# Altium PCB PCB4.PcbDoc
Units mil, origin at the board's own origin, x right, y up, seen from the top; angles counter-clockwise.
Board outline 2750 x 3480 mil, 2 copper layers (Top Layer, Bottom Layer); 90 components, 53 nets, 302 pads, 400 vias.
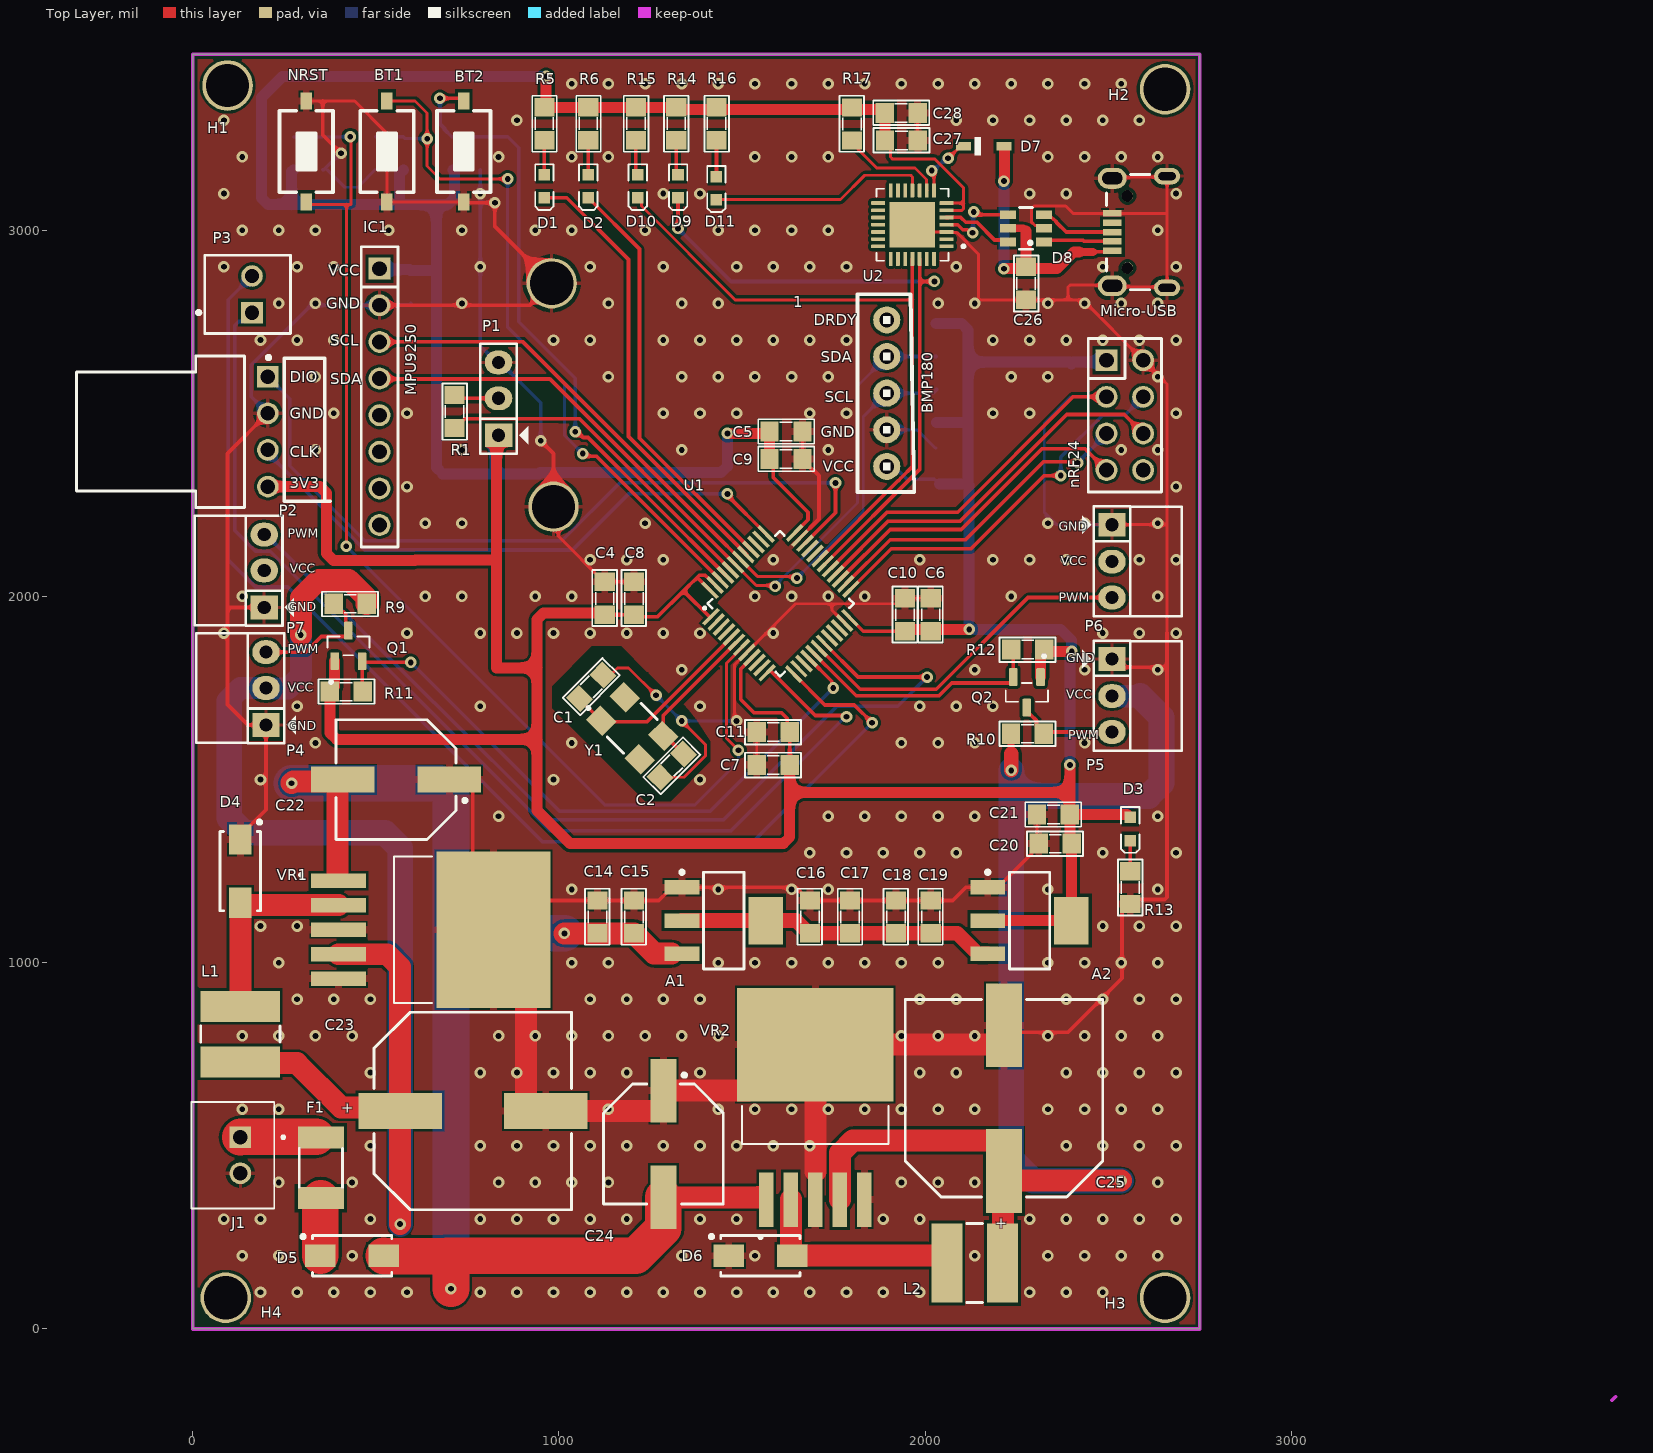
[diagram p0: Top Layer view]
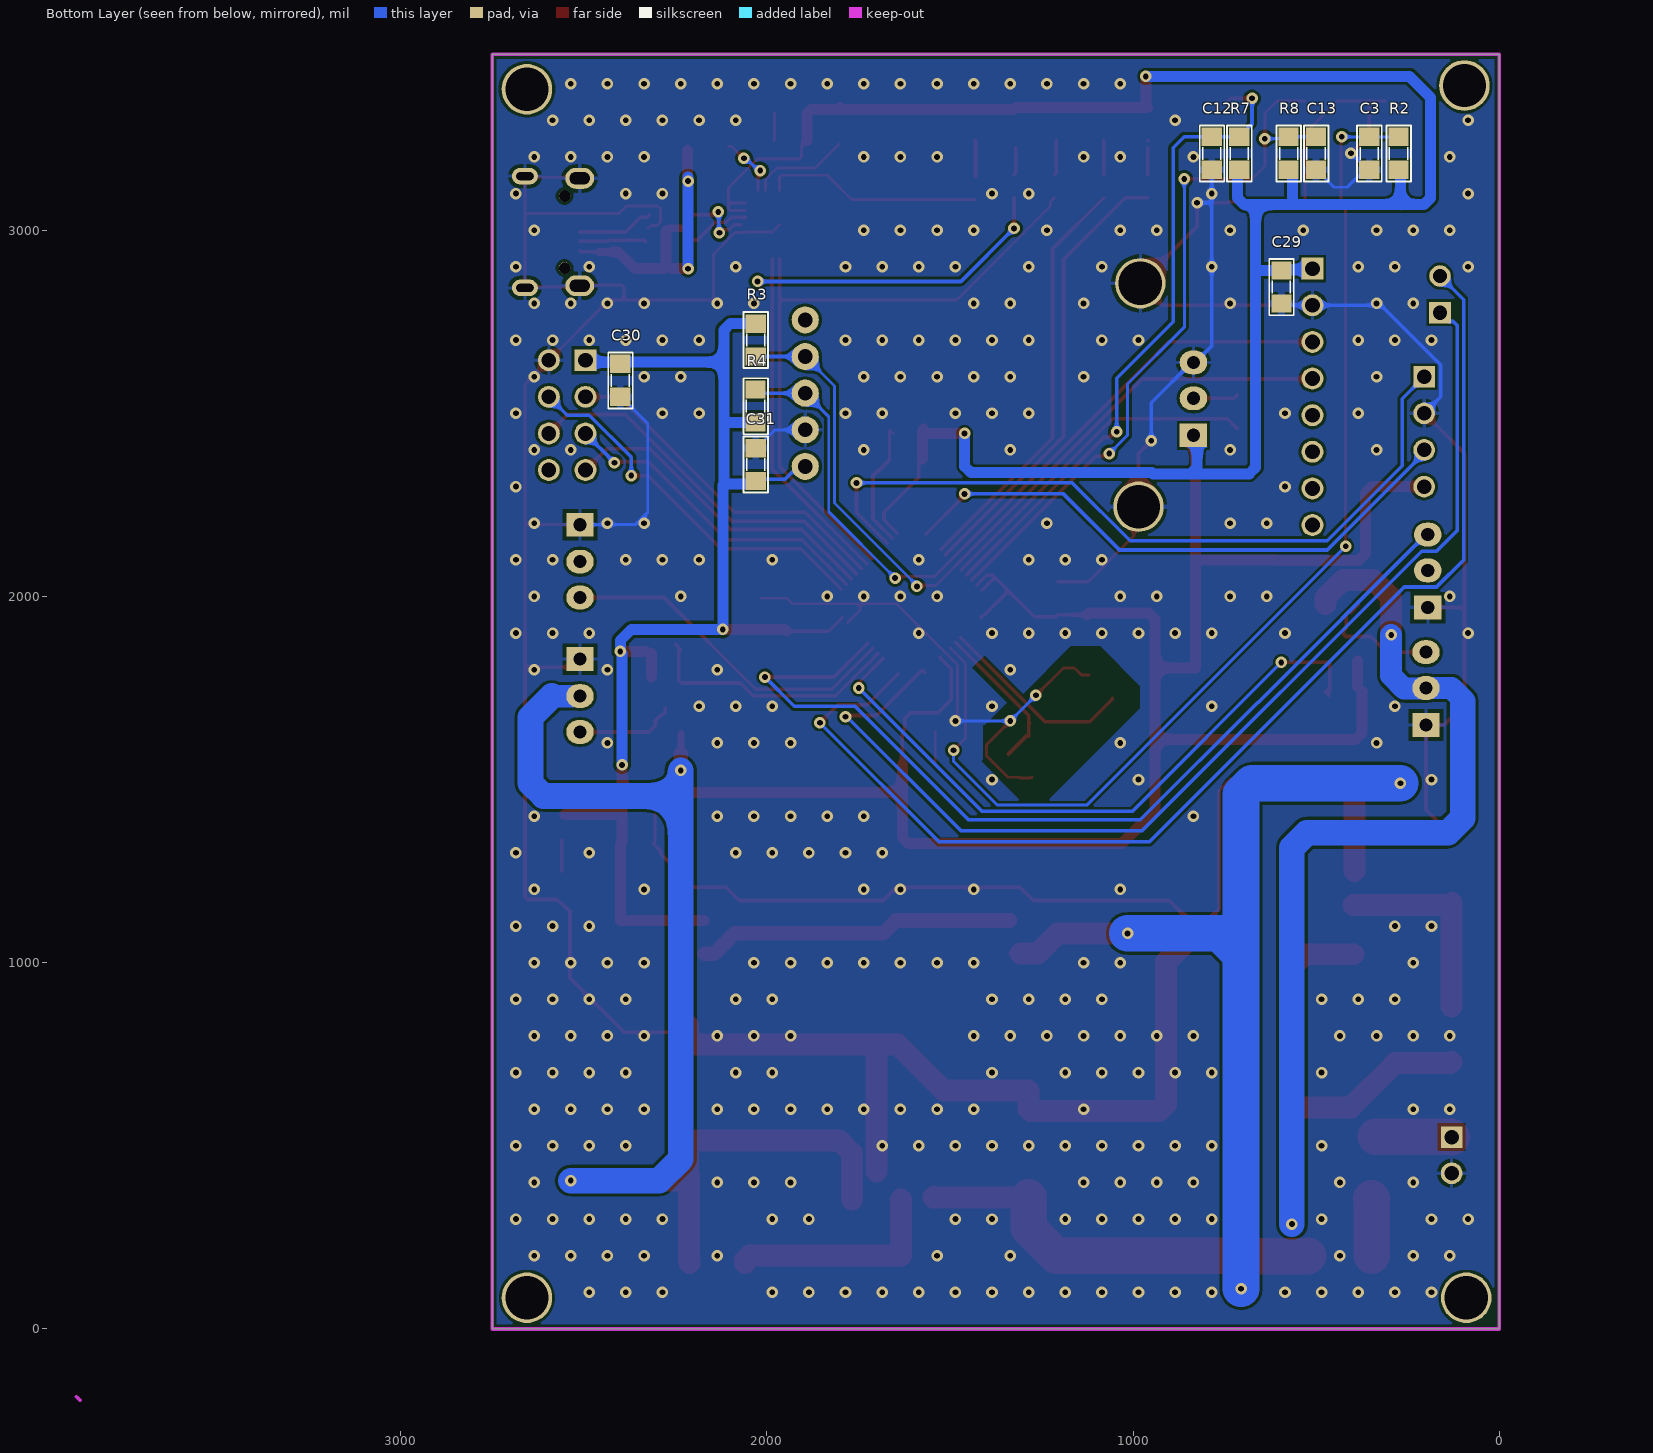
[diagram p1: Bottom Layer view, seen from below]

## Layer stack, top to bottom
Top Solder: solder mask 0.4, Solder Resist, Dk 3.5
Top Layer: signal copper 1.4
Dielectric 1: dielectric 12.6, FR-4, Dk 4.8
Bottom Layer: signal copper 1.4
Bottom Solder: solder mask 0.4, Solder Resist, Dk 3.5

## Board outline
0,0 2750,0 2750,3480 0,3480

## Design rules (kind name [scope] priority, off if disabled: settings)
Clearance [All] p1: gap=7.87 ignorepadtopadclearanceinfootprint=FALSE
DiffPairsRouting [All] p1: maxlimit=10 minlimit=10 mostfreqgap=10 toplayer_minwidth=10 toplayer_maxwidth=10 toplayer_prefwidth=10 bottomlayer_minwidth=10 bottomlayer_maxwidth=10 bottomlayer_prefwidth=10 maxuncoupledlength=500
PolygonConnect [All] p1: thpad.connectstyle=Relief thpad.reliefconductorwidth=10 thpad.reliefentries=4 thpad.polygonreliefangle="90 Angle" thpad.airgapwidth=10 smdpad.connectstyle=Relief smdpad.reliefconductorwidth=20 smdpad.reliefentries=4 smdpad.polygonreliefangle="90 Angle" smdpad.airgapwidth=5 via.connectstyle=Direct via.reliefconductorwidth=10 via.reliefentries=4 via.polygonreliefangle="90 Angle" via.airgapwidth=10
RoutingVias [All] p1: holewidth=15.75 width=31.5 viastyle="Through Hole" minholewidth=15.75 minwidth=31.5 maxholewidth=15.75 maxwidth=31.5
SolderMaskExpansion [All] p1: expansion=4 istentingtop=FALSE
Width [All] p1: maxlimit=100 minlimit=8 preferedwidth=10
29 further rules are at their usual default settings.

## Classes and differential pairs
component class UART_to_Micro_USB: C26 C27 C28 D7 D8 D9 D10 D11 Micro-USB R14 R15 R16 R17 U2
component class Sensor_Input: 1 C29 C30 C31 IC1 NRF24
component class Power_Supply: A1 A2 C14 C15 C16 C17 C18 C19 C20 C21 C22 C23 C24 C25 D3 D4 D5 D6 F1 J1 L1 L2 R13 VR1 VR2
component class Motor_Servo: P4 P5 P6 P7 Q1 Q2 R9 R10 R11 R12
component class MCU: BT1 BT2 C1 C2 C3 C4 C5 C6 C7 C8 C9 C10 C11 C12 C13 D1 D2 H1 H2 H3 H4 NRST P1 P2 P3 R1 R2 R3 R4 R5 R6 R7 R8 U1 Y1
differential pair D: +D_P -D_N

## Components (designator, comment, footprint, x,y, rotation, side; value= is the part's Value field where it differs from the comment)
1 "HMC5883L" HMC5883L 2185,2555 r180 top
A1 "LM1117" SOT223-4N 1450,1115 r0 top value=LM317
A2 "LM1117" SOT223-4N 2285,1115 r0 top value=LM317 (schematic designator ASM2)
BT1 "Tact SW - 2Pin" SW-SMD 530,3215 r90 top (schematic designator S3)
BT2 "Tact SW - 2Pin" SW-SMD 740,3215 r90 top (schematic designator S2)
C1 "Cap Non-Pol SMD" CAP-SM-0805 1120,1785 r225 top value="20pF, 50V"
C2 "Cap Non-Pol SMD" CAP-SM-0805 1276.36,1506.36 r45 top value="20pF, 50V"
C3 "Cap Non-Pol SMD" CAP-SM-0805 355,3165 r90 bottom value="100nF, 25V"
C4 "Cap Non-Pol SMD" CAP-SM-0805 1125,2040 r270 top value="4.7uF, 25V"
C5 "Cap Non-Pol SMD" CAP-SM-0805 1665,2450 r180 top value="4.7uF, 25V"
C6 "Cap Non-Pol SMD" CAP-SM-0805 2015,1995 r270 top value="4.7uF, 25V"
C7 "Cap Non-Pol SMD" CAP-SM-0805 1540,1540 r0 top value="4.7uF, 25V"
C8 "Cap Non-Pol SMD" CAP-SM-0805 1205,2040 r270 top value="100nF, 25V"
C9 "Cap Non-Pol SMD" CAP-SM-0805 1665,2375 r180 top value="100nF, 25V"
C10 "Cap Non-Pol SMD" CAP-SM-0805 1945,1995 r270 top value="100nF, 25V"
C11 "Cap Non-Pol SMD" CAP-SM-0805 1540,1630 r0 top value="100nF, 25V"
C12 "Cap Non-Pol SMD" CAP-SM-0805 785,3165 r90 bottom value="100nF, 25V"
C13 "Cap Non-Pol SMD" CAP-SM-0805 500,3165 r90 bottom value="100nF, 25V"
C14 "Cap Non-Pol SMD" CAP-SM-0805 1105,1170 r270 top value="10uF, 25V"
C15 "Cap Non-Pol SMD" CAP-SM-0805 1205,1170 r270 top value="0.1uF, 25V"
C16 "Cap Non-Pol SMD" CAP-SM-0805 1685,1170 r270 top value="10uF, 25V"
C17 "Cap Non-Pol SMD" CAP-SM-0805 1795,1170 r270 top value="0.1uF, 25V"
C18 "Cap Non-Pol SMD" CAP-SM-0805 1920,1170 r270 top value="1uF, 25V"
C19 "Cap Non-Pol SMD" CAP-SM-0805 2015,1170 r270 top value="100nF, 25V"
C20 "Cap Non-Pol SMD" CAP-SM-0805 2310,1325 r0 top value="1uF, 25V"
C21 "Cap Non-Pol SMD" CAP-SM-0805 2305,1405 r0 top value="100nF, 25V"
C22 "Cap Pol SMD" "CAP ALU SIZE F" 555,1500 r180 top value="100uF, 25V"
C23 "1000uF" WCAP-ASLI_D12.5H14 765,595 r180 top
C24 "Cap Pol SMD" "CAP ALU SIZE F" 1285,505 r270 top value="100uF, 25V"
C25 "1000uF" WCAP-ASLI_D12.5H14 2215,630 r270 top
C26 "Cap Non-Pol SMD" CAP-SM-0805 2275,2810 r90 top value=100nF
C27 "Cap Non-Pol SMD" CAP-SM-0805 1980,3245 r180 top value=4.7uF
C28 "Cap Non-Pol SMD" CAP-SM-0805 1979.2,3320.33 r180 top value=0.1uF
C29 "Cap Non-Pol SMD" CAP-SM-0805 595,2800 r90 bottom value=100pF
C30 "Cap Non-Pol SMD" CAP-SM-0805 2400,2545 r90 bottom value=100pF
C31 "Cap Non-Pol SMD" CAP-SM-0805 2030,2405 r270 bottom value=100pF
D1 "LED SMD" LED_0603_Blue 960,3120 r270 top
D2 "LED SMD" LED_0603_Blue 1080,3120 r270 top
D3 "LED SMD" LED_0603_Blue 2560,1365 r270 top
D4 "D Schottky" SS34 130,1250 r270 top
D5 "D Schottky" SS34 435,200 r0 top
D6 "D Schottky" SS34 1550,200 r0 top
D7 "1N4148WS" SODFL2512X100N 2160,3229.15 r0 top
D8 "USBLC6-2SC6" WE-TVS_SOT23-6L 2275,3005 r90 top
D9 "LED SMD" LED_0603_Blue 1325,3120 r270 top
D10 "LED SMD" LED_0603_Blue 1215,3120 r270 top
D11 "LED SMD" LED_0603_Blue 1430,3115 r270 top
F1 "Fuse" "FUSE SMD" 350,440 r270 top
H1 "Hole" "LO KHOAN 3MM" 95,3395 r0 top
H2 "Hole" "LO KHOAN 3MM" 2655,3385 r0 top
H3 "Hole" "LO KHOAN 3MM" 2655,85 r0 top
H4 "Hole" "LO KHOAN 3MM" 90,85 r0 top
IC1 "MPU6050" MPU6050_H 805,2675 r270 top
J1 "B2B-XH-A(LF)(SN)" JST_B2B-XH-A(LF)(SN) 130,474.21 r90 top
L1 "3.3uH, 3.7A" WE-PD2A_5848 130,805 r270 top
L2 "3.3uH, 3.7A" WE-PD2A_5848 2135,180 r0 top
Micro-USB "629105150521" 629105150521 2625,2995 r90 top (schematic designator J2)
nRF24 "NRF24L01" NRF24L01 2545,2495 r270 top (schematic designator M1)
NRST "Tact SW - 2Pin" SW-SMD 310,3215 r270 top (schematic designator S1)
P1 "Header 3" JP3 835,2540 r90 top
P2 "61900411021" 61900411021 -88.31,2450 r270 top
P3 "61900211121" 61900211121 150,2825 r270 top
P4 "Header 3H" JP3H 200,1649 r90 top
P5 "Header 3H" JP3H 2510,1829 r270 top
P6 "Header 3H" JP3H 2510,2196 r270 top
P7 "Header 3H" JP3H 195,1970 r90 top
Q1 "2N7002" SOT95P240X111-3N 425,1865 r90 top
Q2 "2N7002" SOT95P240X111-3N 2277.4,1738.27 r270 top
R1 "RESISTOR SMD" RES-SM-0805 715,2460 r90 top value=100K
R2 "RESISTOR SMD" RES-SM-0805 275,3165 r90 bottom value=10K
R3 "RESISTOR SMD" RES-SM-0805 2030,2745 r270 bottom value=10K
R4 "RESISTOR SMD" RES-SM-0805 2031,2475 r90 bottom value=10K
R5 "RESISTOR SMD" RES-SM-0805 960,3246 r90 top value=330R
R6 "RESISTOR SMD" RES-SM-0805 1080,3246 r90 top value=330R
R7 "RESISTOR SMD" RES-SM-0805 710,3165 r90 bottom value=10K
R8 "RESISTOR SMD" RES-SM-0805 575,3165 r90 bottom value=10K
R9 "RESISTOR SMD" RES-SM-0805 385,1980 r0 top value=10K
R10 "RESISTOR SMD" RES-SM-0805 2324,1625 r180 top value=10K
R11 "RESISTOR SMD" RES-SM-0805 464,1740 r180 top value=10K
R12 "RESISTOR SMD" RES-SM-0805 2235,1855 r0 top value=10K
R13 "RESISTOR SMD" RES-SM-0805 2560,1250 r270 top value=330R
R14 "RESISTOR SMD" RES-SM-0805 1320,3246 r90 top value=330R
R15 "RESISTOR SMD" RES-SM-0805 1210,3246 r90 top value=330R
R16 "RESISTOR SMD" RES-SM-0805 1430,3246 r90 top value=330R
R17 "RESISTOR SMD" RES-SM-0805 1800,3335 r270 top value=4.7K
U1 "STM32F103C8T6" LQFP48 1416.13,1943.93 r315 top
U2 "CP2102" QFN50P500X500X100-29N 1965,3015 r180 top
VR1 "LM2576HVS-5.0/NOPB." TO170P1524X483-6N 650,1090 r0 top
VR2 "LM2576HVS-5.0/NOPB." TO170P1524X483-6N 1700,605 r90 top
Y1 "8MHz" WE-XTAL_CFPX-104 1200,1640 r315 top

## Footprints (in the part's own frame and the unit in brackets; to place one, negate y for a bottom-side part, rotate by r counter-clockwise, add the part's x,y. Pads: shape width x height; smd on the part's side, far side on the other; paste and mask are expansions set on the pad)
61900211121 [mm] "2.54mm Male Locking Header, 2p"
  rect 1.5x1.5 hole 1: 1(1.27,0.3)
  round 1.5 hole 1: 2(-1.27,0.3)
  silkscreen extent -2.71,-3.52 2.71,2.98, body extent -2.54,-2.9 2.54,2.9, height 11.53
61900411021 [mm] "2.54mm Male Left Angled Header Bottom Locking, 4p"
  rect 1.5x1.5 hole 1: 1(-3.81,7.45)
  round 1.5 hole 1: 2(-1.27,7.45) 3(1.27,7.45) 4(3.81,7.45)
  silkscreen extent -5.26,-5.82 5.25,7.63, body extent -5.08,-5.75 5.08,7.77, height 5.83
629105150521 [mm] "Micro USB 2.0 SMT Type B Horizontal 5 Contacts High Current"
  rect 0.45x1.3 smd: 1(-1.3,2.9) 2(-0.65,2.9) 3(0,2.9) 4(0.65,2.9) 5(1.3,2.9)
  round 0.8 hole 0.8 unplated: MH1(-2.5,1.85) MH2(2.5,1.85)
  oval 1.15x1.8 hole 0.55 slot 1.2 at 90 deg: Shell(-3.875,-0.9) Shell(3.875,-0.9)
  oval 1.45x2 hole 0.85 slot 1.4 at 90 deg: Shell(-3.725,2.9) Shell(3.725,2.9)
  silkscreen extent -4,0.3 4,3.3, body extent -4,-3.3 4,3.3, height 2.75
"CAP ALU SIZE F" [mm] "Capacitor, Aluminium Electrolytric, 8.3mm L X 8.3mm W X 10.2mm H, IPC Medium Density"
  rect 4.4x1.8 smd: 1(-3.7,0) 2(3.7,0)
  silkscreen extent -4.9,-4.15 4.15,4.15, body extent -4.75,-4.25 5.25,4.25, height 10.2
CAP-SM-0805 [mil]
  rect 50x55 smd: 1(0,0) 2(90,0)
  silkscreen extent -32,-34 121,33, body extent 6,-25 84,25, height 31
"FUSE SMD" [mm] "SMD FUSE"
  rect 1.55x3.21 smd: 1(-2.1,0) 2(2.1,0)
  silkscreen extent -1.35,-1.5 1.35,1.51, body extent -2.37,-1.71 2.36,1.71, height 0.75
HMC5883L [mil]
  round 74 hole 40: 1(290,200) 2(290,100) 3(290,0) 4(290,-100) 5(290,-200)
  silkscreen extent 215,-270 370,270
JP3 [mil] "Jumper 3"
  rect 65x75 hole 36: 1(-100,0)
  oval 65x75 hole 36: 2(1,0) 3(99,0)
  silkscreen extent -150,-81 150,50, body extent -150,-60 150,55, height 355
JP3H [mil]
  rect 65x75 hole 36: 1(0,0)
  oval 65x75 hole 36: 2(101,0) 3(199,0)
  silkscreen extent -50,-81 250,190, body extent -47,-15 245,424, height 99
JST_B2B-XH-A(LF)(SN) [mm]
  rect 1.508x1.508 / inner round 1.508 / far side rect 1.508x1.508 hole 1: 1(1.25,0)
  round 1.508 hole 1: 2(-1.25,0)
  silkscreen extent -3.7,-3.08 3.7,3.4, body extent -3.7,-2.88 3.7,2.88, height 7
LED_0603_Blue [mm] "Chip LED, 2-Leads, Body 1.6x0.8mm, IPC Medium Density"
  rect 0.8x0.8 smd: 1(-0.8,0) 2(0.8,0)
  silkscreen extent -1.52,-0.64 1.65,0.64, body extent -0.8,-0.4 0.8,0.4, height 0.7
"LO KHOAN 3MM" [mil]
  round 138 hole 118.1: 1(0,0)
LQFP48 [mm] "CQFP, 148-Leads, Body 33.75x33.75mm, Pitch 0.64mm, IPC Medium Density"
  rect 0.27x1.5 smd: 1(-0.025,-0.001) 2(0.475,-0.001) 3(0.975,-0.001) 4(1.475,-0.001) 5(1.975,-0.001) 6(2.475,-0.001) 7(2.975,-0.001) 8(3.475,-0.001) 9(3.975,-0.001) 10(4.475,-0.001) 11(4.975,-0.001) 12(5.475,-0.001) 25(5.475,8.199) 26(4.975,8.199) 27(4.475,8.199) 28(3.975,8.199) 29(3.475,8.199) 30(2.975,8.199) 31(2.475,8.199) 32(1.975,8.199) 33(1.475,8.199) 34(0.975,8.199) 35(0.475,8.199) 36(-0.025,8.199)
  rect 1.5x0.27 smd: 13(6.825,1.249) 14(6.825,1.749) 15(6.825,2.249) 16(6.825,2.749) 17(6.825,3.249) 18(6.825,3.749) 19(6.825,4.249) 20(6.825,4.749) 21(6.825,5.249) 22(6.825,5.749) 23(6.825,6.249) 24(6.825,6.749) 37(-1.375,6.749) 38(-1.375,6.249) 39(-1.375,5.749) 40(-1.375,5.249) 41(-1.375,4.749) 42(-1.375,4.249) 43(-1.375,3.749) 44(-1.375,3.249) 45(-1.375,2.749) 46(-1.375,2.249) 47(-1.375,1.749) 48(-1.375,1.249)
  silkscreen extent -0.85,0.05 6.32,7.65, body extent -1.77,-0.49 7.23,8.51, height 1.55
MPU6050_H [mm]
  rect 1.52x1.52 hole 1.02: 1(-5.588,-7.493)
  round 3.5 hole 3: 2(-4.572,4.445) 2(10.922,4.572)
  round 1.52 hole 1.02: 2(-3.048,-7.493) 3(-0.508,-7.493) 4(2.032,-7.493) 5(4.572,-7.493) 6(7.112,-7.493) 7(9.652,-7.493) 8(12.192,-7.493)
  silkscreen extent -7.11,-8.76 13.71,-6.22, body extent -7.37,-8.76 13.74,7.11, height 14.54
NRF24L01 [mm]
  rect 1.52x1.52 hole 1.02: 1(-3.81,-1.27)
  round 1.52 hole 1.02: 2(-1.27,-1.27) 3(1.27,-1.27) 4(3.81,-1.27) 5(3.81,1.27) 6(1.27,1.27) 7(-1.27,1.27) 8(-3.81,1.27)
  silkscreen extent -5.33,-2.54 5.33,2.54, body extent -5.85,-2.79 9.15,26.21, height 15.4
QFN50P500X500X100-29N [mm]
  rrect25% 0.97x0.26 smd: 1(-2.37,1.5) 2(-2.37,1) 3(-2.37,0.5) 4(-2.37,0) 5(-2.37,-0.5) 6(-2.37,-1) 7(-2.37,-1.5) 15(2.37,-1.5) 16(2.37,-1) 17(2.37,-0.5) 18(2.37,0) 19(2.37,0.5) 20(2.37,1) 21(2.37,1.5)
  rrect25% 0.26x0.97 smd: 8(-1.5,-2.37) 9(-1,-2.37) 10(-0.5,-2.37) 11(0,-2.37) 12(0.5,-2.37) 13(1,-2.37) 14(1.5,-2.37) 22(1.5,2.37) 23(1,2.37) 24(0.5,2.37) 25(0,2.37) 26(-0.5,2.37) 27(-1,2.37) 28(-1.5,2.37)
  rect 3.15x3.15 smd paste-0.575: 29(0,0)
  silkscreen extent -3.64,-2.5 2.5,2.5
RES-SM-0805 [mil]
  rect 50x55 smd: 1(0,0) 2(90,0)
  silkscreen extent -32,-34 121,33, body extent 6,-25 84,25, height 31
SODFL2512X100N [mm]
  rect 1.05x0.6 smd: A(1.4,0) C(-1.4,0)
  silkscreen extent -0.63,-0.63 -0.2,0.63, body extent -1.25,-0.63 1.25,0.63, height 1.1
SOT95P240X111-3N [mm]
  rrect25% 1.23x0.6 smd: 1(-1.06,0.95) 2(-1.06,-0.95) 3(1.06,0)
  silkscreen extent -2.6,-1.46 0.65,1.46, body extent -1.2,-1.45 1.2,1.45, height 1.11
SOT223-4N [mm] "SOT223, 4-Leads, Body 6.5x3.5mm, Pitch 2.3mm, Lead Span 7mm, IPC Medium Density"
  rect 2.4x1 smd: 1(-2.9,2.3) 2(-2.9,0) 3(-2.9,-2.3)
  rect 2.4x3.3 smd: 4(2.9,0)
  silkscreen extent -3.02,-3.35 1.4,3.47, body extent -3.39,-3.27 3.5,3.23, height 1.72
SS34 [mm] "DO-214-AC/SMA Molded Diode, Body 5.3x2.6mm, IPC Medium Density"
  rect 2.1x1.55 smd: 1(-2.2,0) 2(2.2,0)
  silkscreen extent -3.52,-1.4 2.75,1.45, body extent -2.75,-1.4 2.75,1.4, height 2.3
SW-SMD [mm] "Switch SMD type"
  rect 1.2x0.8 smd: 1(-3.5,0) 2(3.5,0)
  silkscreen extent -2.82,-1.85 2.82,1.85, body extent -3.05,-1.85 3.05,1.85, height 2.5
TO170P1524X483-6N [mm]
  rect 3.79x0.99 smd: 1(-6.4,3.4) 2(-6.4,1.7) 3(-6.4,0) 4(-6.4,-1.7) 5(-6.4,-3.4)
  rect 7.88x10.84 smd paste-6: 6(4.35,0)
  silkscreen extent -9.1,-5.08 0.09,5.08, body extent -7.18,-5.08 7.18,5.08, height 4.65
WCAP-ASLI_D12.5H14 [mm] "Aluminium Electrolytic V-Chip SMT Capacitors, 12.5x14mm"
  rect 5.8x2.5 smd: 1(5.05,0) 2(-5.05,0)
  silkscreen extent -6.85,-6.85 6.85,6.85, body extent -7.1,-6.72 7.1,6.73, height 14
WE-PD2A_5848 [mm] "SMD Power Inductor, body 5.8x5.2mm"
  rect 2.15x5.5 smd: 1(-1.925,0) 2(1.925,0)
  silkscreen extent -0.55,-2.75 0.55,2.75, body extent -2.9,-2.6 2.89,2.6, height 4.5
WE-TVS_SOT23-6L [mm] "TVS Diode, package SOT23-6L"
  rect 0.6x1.1 smd: 1(-0.95,-1.25) 2(0,-1.25) 3(0.95,-1.25) 4(0.95,1.25) 5(0,1.25) 6(-0.95,1.25)
  silkscreen extent -1.45,-0.45 1.45,0.45, body extent -1.45,-1.4 1.45,1.4, height 1.16
WE-XTAL_CFPX-104 [mm] "Quartz Crystal, size CFPX-104, body 5x3.2mm"
  rect 1.6x1.4 smd: 1(-1.9,-1.15) 2(1.9,-1.15) 3(1.9,1.15) 4(-1.9,1.15)
  silkscreen extent -3.24,-1.65 0.8,1.65, body extent -2.5,-1.6 2.5,1.6, height 0.95
